# KiCad board Common_Rail_MC33816.kicad_pcb (continued)
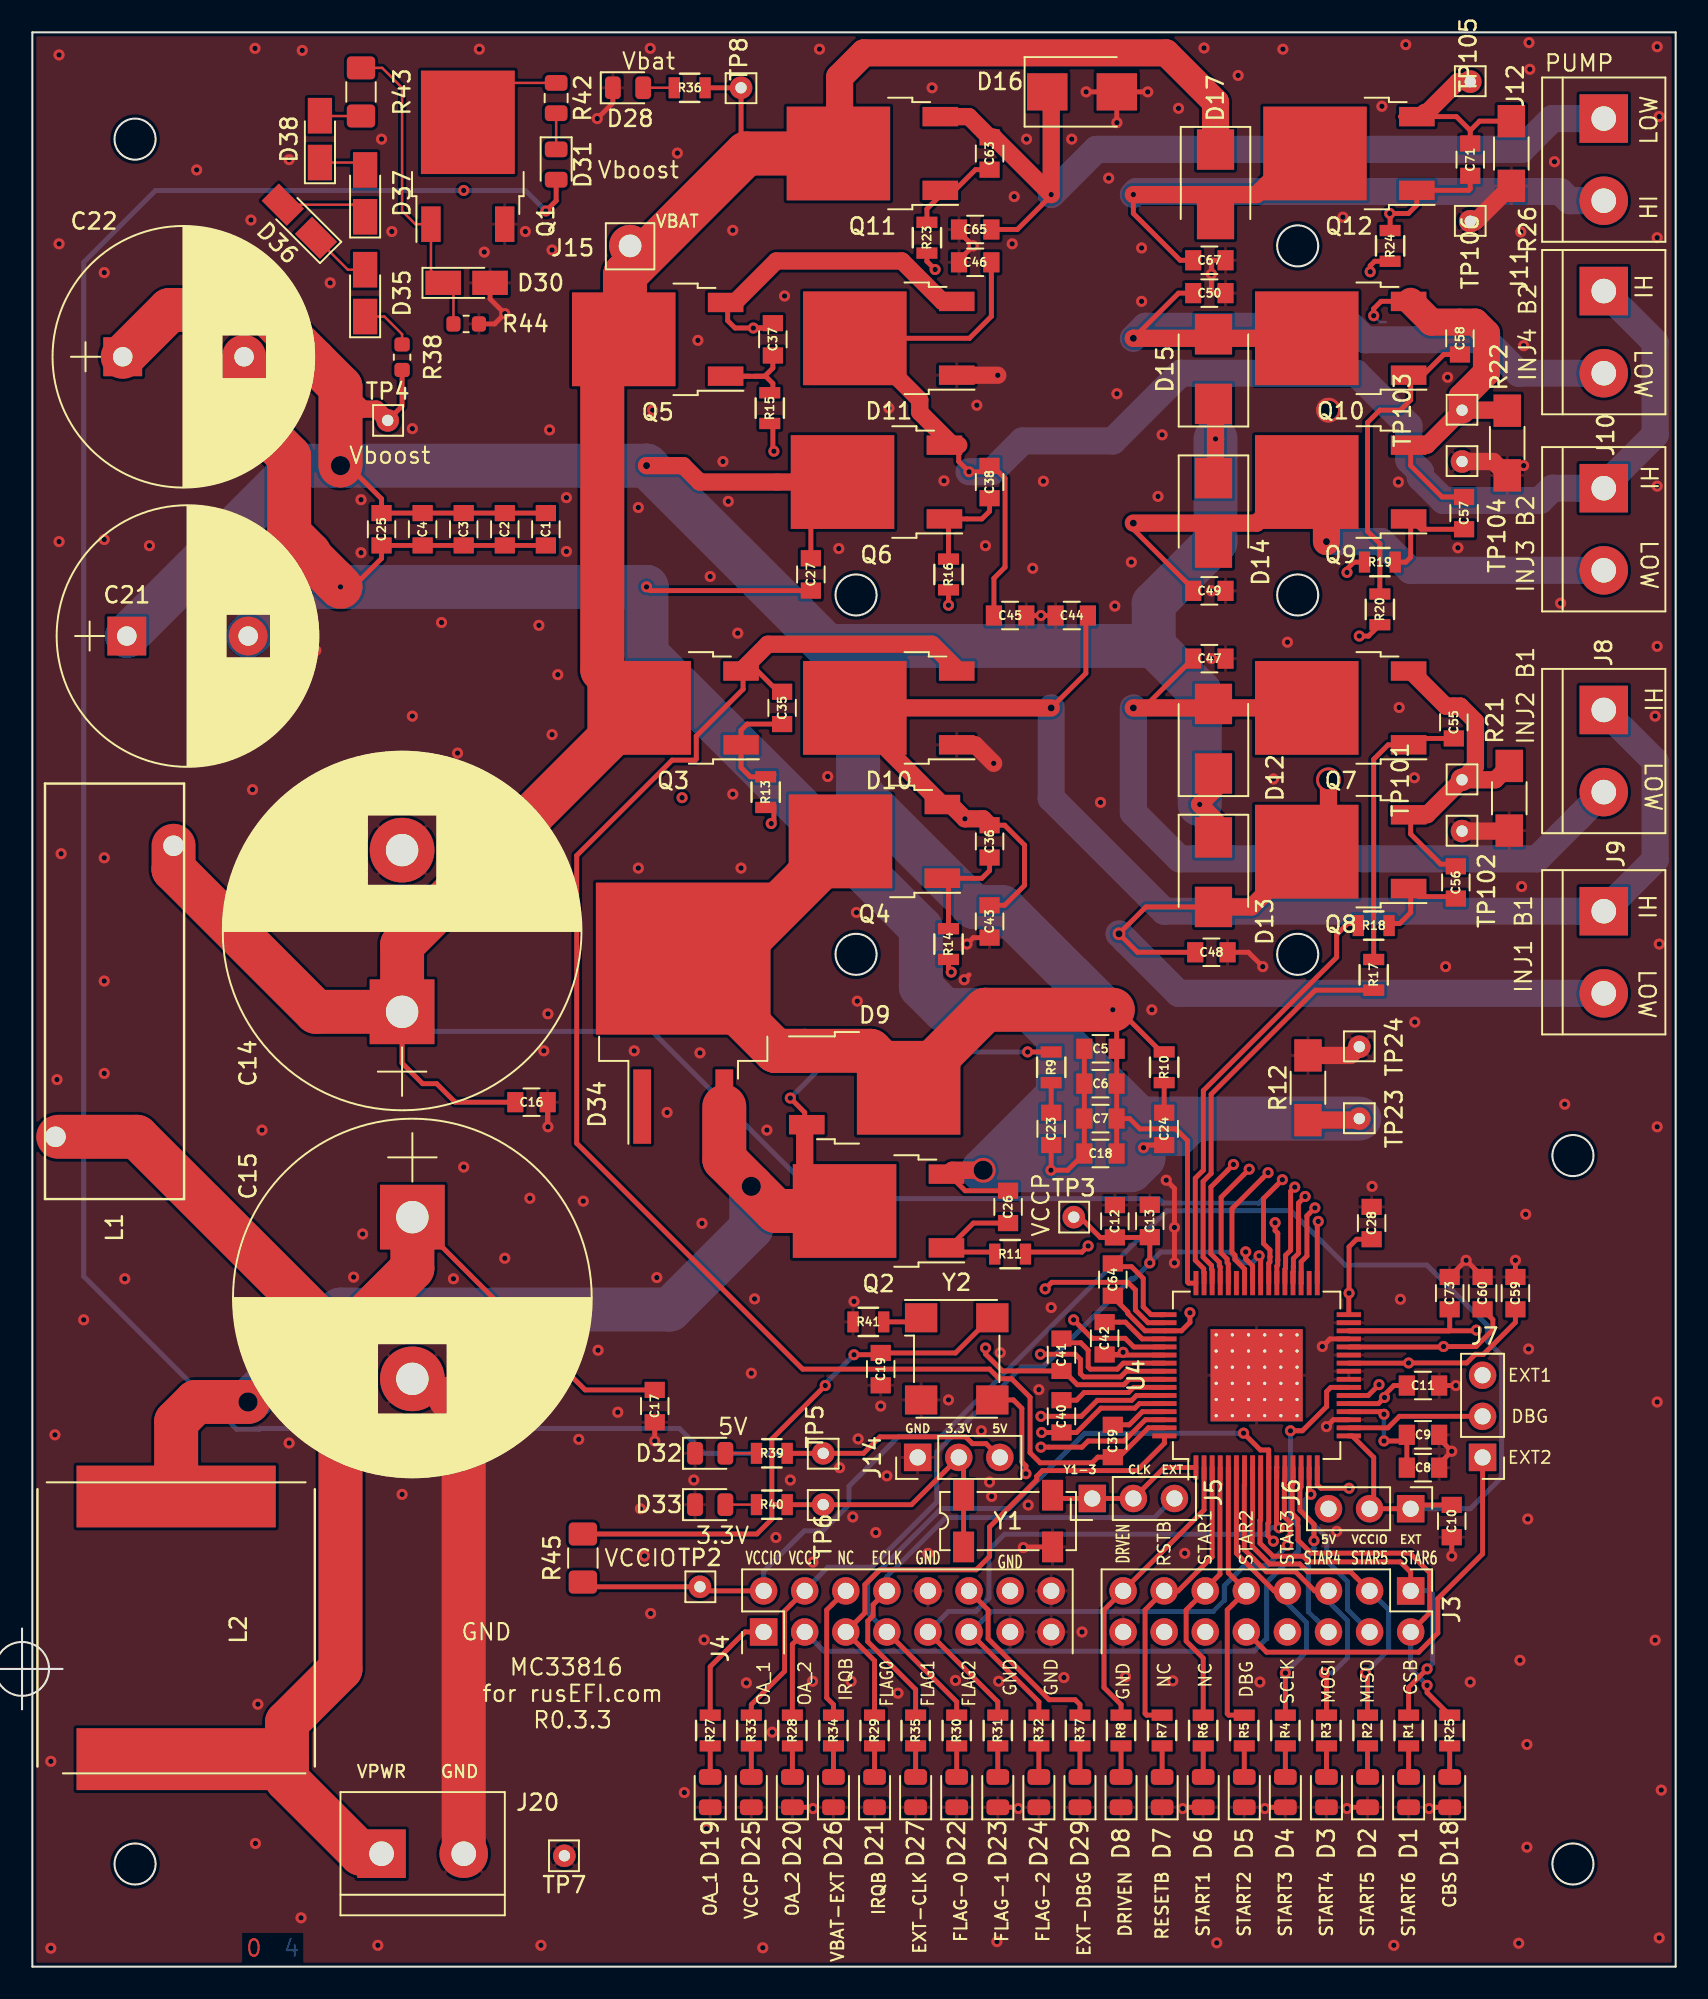
[diagram p0: board, top side]
## Nets (continued)
Net-(D32-Pad2): D32.2 R39.1
Net-(D33-Pad2): D33.2 R40.1
Net-(D35-Pad1): D35.1 R38.1
Net-(D35-Pad2): D35.2 D36.1
Net-(D36-Pad2): D36.2 D37.1
Net-(D37-Pad2): D37.2 D38.1
Net-(D38-Pad2): D38.2 R43.1
Net-(Q1-Pad2): Q1.2 R42.1
Net-(R41-Pad2): R41.2 Y2.1

Pads without a net: D34 1; J3 12 14; J4 14; U4 34 43

## Via types
v1: diameter 0.686, hole 0.33, Top to Bottom, 318 vias
v2: diameter 1.542, hole 1.186, Top to Bottom, 6 vias
v3: diameter 0.79, hole 0.434, Top to Bottom, 7 vias

## Routing (per net, layer and track width the routed paths; a pad name or vN(x,y) marks a point on that pad's centre or on a via; arc(x,y) is an arc through that point)
/3.3V: length 52.3
  Top w0.305: 45.85,28.57 45.72,28.57 45.72,27.69 44.79,26.76 R45.1 ; 45.85,28.57 R40.2 TP6.1 54.36,28.57 J14.2 57.58,31.2 Y1.4 Y1.1 ; 45.85,28.57 45.72,28.7 45.72,32.64 v1(49.02,35.94) ; v1(50.8,37.85) 52.34,37.85 C19.1 57.08,37.96 59.25,40.13 Y2.4
  Bottom w0.305: v1(50.8,37.85) 49.02,36.07 v1(49.02,35.94)
/5V: length 201.8
  Top w0.305: C11.1 84.17,35.94 83.6,35.36 v1(83.6,35.2) 83.22,34.83 81.39,34.83 ; J14.3 58.97,32.35 58.13,32.35 57.71,32.77 52.4,32.77 51.39,31.75 TP5.1 R39.2 ; v1(31.75,108.58) 32.39,109.22 D31.2
  PWR_AN w0.305: J6.3 80.14,31.74 v1(83.6,35.2) 83.94,35.55 83.94,36.71 83.44,37.21 82.8,37.21 76.24,30.65 62.27,30.65 61.42,31.5 J14.3
  Bottom w0.305: TP5.1 41.55,31.75 40.01,33.29 14.09,33.29 14.03,33.24 12.64,33.24 3.17,42.7 3.17,105.41 7.62,109.85 v1(26.67,109.85) 30.48,109.85 v1(31.75,108.58)
/Vbat: length 214
  Top w0.305: C16.1 26.14,53.47 25,54.61 24.13,54.61 22.86,55.88 C14.1 ; R36.2 TP8.1 43.81,112.47 44.15,112.14 ; U4.39 76.44,43.51 76.51,43.58 76.51,43.89 76.52,43.89 76.52,44.33 76.12,44.73 76.12,47.51 v1(77.29,48.67)
  Top w1.651: J15.1 36.96,100.96
  Top w1.676: D17.1 73.15,115.31 70.1,118.36 51.41,118.36 49.91,116.87 49.91,112.14
  Top w2.718: 49.91,112.14 44.15,112.14 36.64,104.64 36.64,100.65 35.24,99.24 35.24,80.21 37.59,77.85 ; Q3.2 22.86,63.19 C14.1 17.54,59.05 8.73,67.86 L1.2
  Bottom w0.305: C14.1 23.62,59.05 24.83,57.85 38.31,57.85 ; 38.31,57.85 36,57.85 ; 38.31,57.85 48.66,47.5 69.66,47.5 69.93,47.23 75.84,47.23 v1(77.29,48.67)
/VBAT_EXT: length 8.3
  Top w0.305: R34.2 49.53,16.21 49.11,16.63 49.11,22.06 J4.6
/VCC2P5: length 7.5
  Top w0.305: v1(83.57,34.16) 83.4,34.33 81.39,34.33 ; v1(83.57,32.51) 84.6,32.51 C9.1 C8.1
  Bottom w0.305: v1(83.57,32.51) v1(83.57,34.16)
/VCCIO: length 96.9
  Top w0.305: J4.2 41.53,23.24 TP2.1 34.33,23.49 R45.2 ; C10.1 85.45,28.56 J6.1 J6.2 82.93,28.57 82.93,31.5 81.6,32.83 81.39,32.83
  Bottom w0.305: J4.2 45.21,24.44 47.72,26.95 48.87,26.95 50.49,28.57 50.49,29.72 53.57,32.8 56.19,32.8 70.13,46.74 77.83,46.74 81.18,43.39 86.22,43.39 89.96,39.66 89.96,38.7 90.84,37.81 90.84,30.26 88.9,28.32 J6.1
/VCCP: length 56.3
  Top w0.305: v1(69.09,43.53) C13.1 69.07,45.1 C12.1 66.02,45.1 64.77,46.35 ; J4.4 46.51,22 46.51,18.27 44.45,16.21 R33.2 ; v1(75.85,43.96) 75.94,43.87 U4.40
  Bottom w0.305: v1(75.85,43.96) 75.41,43.53 74.69,43.53 74.03,44.2 69.76,44.2 v1(69.09,43.53) 68.09,42.53 67.93,42.53 62.48,37.08 61.15,37.08 55.92,31.85 55.92,28.73 51.89,24.7 49.18,24.7 47.75,23.27 J4.4
GND: length 164.8
  Top w0.305: v1(62.36,83.57) 63.14,83.57 ; v1(62.36,83.57) C45.2 ; v1(62.36,83.57) C44.2 ; C60.2 89.66,42.67 v1(88.65,43.69) 87.63,42.67 C73.2 ; 81.39,38.83 80.23,38.83 v1(79.76,38.35) ; D6.1 71.2,9.86 v1(71.12,9.78) ; Y1.2 61.31,25.96 v1(61.27,25.92) ; C10.2 v1(87.76,25.4) ; v1(57.61,61.04) 57.91,61.34 ; C9.2 86.98,32.65 v1(87.76,31.88) 86.98,31.1 C8.2 ; C65.2 57.29,107.3 v1(58.17,106.43) 57.29,105.55 C46.2 ; C17.2 v1(38.48,32.51) ; v1(67.06,114.05) 67.05,114.05 D16.2 ; D28.1 35.89,115.27 v1(34.92,114.3) ; v1(60.96,9.78) 60.88,9.86 D23.1 ; C47.2 v1(72.9,80.9) ; D2.1 81.36,9.86 v1(81.28,9.78) ; D18.1 86.44,9.86 v1(86.36,9.78) ; D16.2 v1(65.15,115.95) ; D16.2 v1(68.96,115.95) ; v1(48.26,9.78) 48.18,9.86 D20.1 ; v1(57.79,63.25) 58.18,63.64 C43.2 ; C49.2 v1(72.9,85.09) ; 81.39,33.83 80.43,33.83 v1(80.01,33.4) ; D4.1 76.28,9.86 v1(76.2,9.78) ; D30.2 28.3,103.14 v1(29.21,102.23) 28.58,101.6 R44.1 ; C67.2 72.97,105.54 72.9,105.47 v1(72.9,104.69) 72.9,103.57 72.97,103.5 C50.2 ; v1(76.07,61.85) 75.18,62.74 C48.2 ; v1(70.1,48.64) 70.61,48.13 v1(70.61,45.72) v1(70.61,43.53) ; C11.2 v1(88.01,35.94) ; C59.2 v1(91.69,43.69) ; C16.2 31.86,51.96 v1(31.88,51.94) C16.2
  Top w1.067: v1(59.44,74.42) 58.29,75.56 57.28,75.56 ; v1(59.69,98.42) 57.28,98.42 57.53,98.42 ; TP106.1 89.25,107.95 R26.2 ; R12.2 81.5,56.36 TP24.1 ; TP102.1 91.28,70.23 R21.2 ; R22.2 90.33,93.09 TP104.1
  Top w2.718: 25.84,35.15 v1(26.67,34.32) v1(26.67,32.38) J20.2
  GND w0.305: 66.8,25.78 64.9,23.88 v1(64.9,20.7) ; 66.8,25.78 66.59,25.57 v1(55.37,25.57) ; 66.8,25.78 71.88,25.78 71.88,32.77 U4.65 ; v1(70.61,43.53) 73.19,40.95 U4.65 ; v1(57.61,61.04) 57.61,63.07 v1(57.79,63.25) ; v1(71.25,25.57) 70.89,25.92 v1(61.27,25.92) ; v1(84.58,41.27) 82.38,39.08 U4.65
  Bottom w0.305: 76.96,37.85 U4.65 75.06,37.21
  vias: v1(1.14,12.7) v1(1.14,1.14) v1(1.4,32.89) v1(1.52,54.86) v1(1.65,118.24) v1(1.65,106.55) v1(1.65,88.14) v1(1.78,68.83) v1(3.17,40) v1(4.44,104.77) v1(4.44,88.26) v1(4.44,68.58) v1(4.44,60.96) v1(4.44,55.24) v1(5.72,42.54) v1(7.24,87.88) v1(10.16,111.12) v1(10.29,82.8) v1(13.44,93.07) v1(13.51,108.03) v1(13.61,72.8) v1(13.74,38.18) v1(13.77,118.64) v1(13.79,7.62) v1(13.94,16.23) v1(14.05,65.33) v1(14.2,51.74) v1(15.88,111.76) v1(15.88,32.38) v1(16.51,96.52) v1(16.51,34.29) v1(16.61,3.02) v1(16.69,118.52) v1(17.53,81.41) v1(18.41,104.14) v1(19.86,42.65) v1(20.32,90.73) v1(20.32,87.45) v1(20.42,45.31) v1(21.36,1.32) v1(21.59,113.03) v1(22.22,107.31) v1(22.86,29.21) v1(23.5,95.12) v1(23.5,77.34) v1(25.3,83.13) v1(26.03,42.54) v1(26.29,75.06) v1(26.67,49.45) v1(27.64,118.59) v1(27.94,106.04) v1(27.94,38.1) v1(29.21,43.81) v1(30.48,107.31) v1(30.76,47.52) v1(31.11,34.29) v1(31.32,82.96) v1(31.45,1.32) v1(31.62,56.64) v1(31.88,58.93) v1(31.98,95.05) v1(32.13,106.17) v1(32.13,76.2) v1(32.49,79.91) v1(33.02,90.86) v1(33.02,87.53) v1(33.78,32.61) v1(34.06,47.35) v1(34.98,38.13) v1(36.19,34.29) v1(37.21,56.64) v1(37.47,90.25) v1(37.47,67.94) v1(37.59,28.32) v1(37.85,25.4) v1(38.2,118.64) v1(38.23,21.84) v1(38.35,96.27) v1(38.61,42.62) v1(39.24,52.83) v1(39.88,112.17) v1(40.31,10.77) v1(40.89,30.1) v1(41.15,100.58) v1(41.27,56.51) v1(41.4,45.97) v1(41.53,20.22) v1(41.68,8.53) v1(41.91,85.98) v1(42.7,93.09) v1(43.03,90.63) v1(43.31,107.39) v1(43.31,72.52) v1(43.61,82.47) v1(43.81,67.94) v1(44.15,17.55) v1(44.45,36.7) v1(44.65,41.3) v1(45.16,1.17) v1(45.42,51.74) v1(45.75,14.5) v1(45.97,26.54) v1(46.51,103.33) v1(46.86,30.1) v1(48.23,17.65) v1(48.26,25.02) v1(48.67,118.59) v1(49.17,73.61) v1(49.86,87.71) v1(49.91,30.86) v1(50.62,17.65) v1(50.72,27.81) v1(50.8,41.15) v1(50.95,65.2) v1(51,59.72) v1(51.05,32.64) v1(52.15,26.85) v1(52.45,34.67) v1(52.83,30.35) v1(52.96,96.39) v1(53.52,16.92) v1(55.63,116.2) v1(56.36,91.9) v1(56.64,35.05) v1(57.07,17.7) v1(58.39,96.57) v1(58.67,33.15) v1(58.93,87.88) v1(59.18,29.97) v1(59.31,29.08) v1(59.64,1.55) v1(59.74,17.65) v1(59.84,37.97) v1(60.58,106.55) v1(60.71,109.47) v1(61.47,113.03) v1(61.57,28.55) v1(61.85,86.49) v1(62.23,35.69) v1(62.51,91.87) v1(62.99,40.77) v1(63.78,17.88) v1(64.26,113.03) v1(66.04,72.01) v1(66.55,110.62) v1(66.93,84.15) v1(67.06,97.28) v1(67.59,17.93) v1(67.95,86.87) v1(68.58,106.3) v1(68.58,103) v1(69.21,59.18) v1(69.6,90.93) v1(69.85,94.74) v1(70.51,17.68) v1(70.87,114.93) v1(72.44,118.67) v1(73.23,1.47) v1(74.55,116.97) v1(75.9,17.6) v1(76.73,73.46) v1(77.32,118.59) v1(77.6,81.91) v1(80.64,26.92) v1(81.03,108.2) v1(82.83,48.26) v1(83.44,115.06) v1(84.18,1.32) v1(84.45,91.82) v1(84.51,77.88) v1(84.91,118.87) v1(85.45,73.53) v1(85.47,58.42) v1(87.38,61.85) v1(87.5,98.3) v1(88.14,87.76) v1(88.9,17.6) v1(91.9,1.45) v1(92.02,107.29) v1(91.97,18.95) v1(92.08,66.8) v1(92.2,100.25) v1(92.2,92.84) v1(92.33,46.53) v1(92.41,13.74) v1(92.41,7.39) v1(92.53,119) v1(92.51,38.2) v1(92.46,27.69) v1(92.58,117.35) v1(94.11,111.63) v1(94.49,84.33) v1(94.74,53.34) v1(100.33,77.34) v1(100.33,20.19) v1(100.46,118.74) v1(100.46,106.93) v1(100.46,91.57) v1(100.46,81.66) v1(100.46,51.94) v1(100.46,34.92) v1(100.58,114.43) v1(100.58,63.25) v1(100.58,1.78) v1(100.71,10.92) v2(80.14,96.27)
/BANK1_BAT: length 99.8
  Top w0.305: C39.2 65.87,31.51 65.52,31.16 62.31,31.16 61.68,31.79 61.68,35.22 60.54,36.36 59.78,36.36 59.18,36.96 47.62,36.96 33.66,50.93 33.66,68.72 39.56,74.62 40.98,74.62 41.05,74.69 41.05,76.11 43.94,79.01 43.94,80.14 44.83,80.14 46.12,78.85 C35.2 ; C39.2 67.18,31.51 ; C39.2 67.18,31.51 ; 67.18,31.51 69,33.33 U4.63
  Top w1.067: 57.28,80.14 55.63,81.79 45.47,81.79 43.94,80.26 43.94,80.14
/BANK2_BAT: length 108.2
  Top w0.305: v1(44.58,101.35) 43.45,101.35 42.99,101.8 42.99,102.93 ; v1(44.58,101.35) 45.86,101.35 46.16,101.65 ; v1(44.58,101.35) 45.48,101.35 C37.2 ; 63.75,36.85 64.61,35.99 67.48,35.99 67.82,36.33 U4.57 ; 63.74,36.85 C41.2 59.98,36.85 58.93,37.89 v1(58.93,38.27)
  Top w1.067: 42.99,102.93 43.43,102.93 45.99,105.49 53.77,105.49 56.26,103 57.28,103
  PWR_AN w0.305: v1(58.93,38.27) 57.52,38.27 40.17,55.61 v1(40.17,72.3) 40.17,96.94 v1(44.58,101.35)
/CLK: length 20.7
  Top w0.305: v1(61.43,30.49) 61.43,30.97 61.18,31.23 61.18,34.53 60.65,35.05 Y2.3 ; Y1.3 63.28,28.96 J5.1 J5.2 69.99,30.88 U4.1
  PWR_AN w0.305: v1(61.43,30.49) 62.96,28.96 J5.1
/CSB: length 23.9
  Top w0.305: R25.2 86.23,16.95 v1(86.23,17.4) ; J3.2 86.4,21.88 86.4,24.36 85.18,25.58 79.06,25.58 78.25,26.38 78.25,27.67 77.89,28.03 77.89,29.81 77.94,29.86 U4.13
  Bottom w0.305: v1(86.23,17.4) 85.22,18.41 J3.2
/DBG: length 8.6
  Top w0.305: 81.39,33.33 83.81,33.33 84.52,34.04 J7.2
/DBG_EXT1: length 63.1
  Top w0.305: R37.2 64.77,16.21 64.47,16.51 62.86,16.51 59.09,20.28 59.09,22.06 J4.12
  PWR_AN w0.305: J7.3 91.44,34.8 91.44,30.61 86.88,26.05 86.88,19.95 85.98,19.05 59.94,19.05 59.18,19.81 59.18,21.97 J4.12
/DBG_EXT2: length 24.9
  Top w0.305: J7.1 89.66,25.53 86.89,22.76 86.89,20.63 85.71,19.45 76.31,19.45 J3.10
/DRVEN: length 18.3
  Top w0.305: R8.2 67.31,16.21 66.26,17.26 66.26,22.06 J3.15 72.44,28.25 U4.2
/EXT_CLK: length 30.1
  Top w0.305: R35.2 54.61,17.14 51.65,20.1 51.65,21.38 51.98,21.71 51.98,22.39 J4.8
  Bottom w0.305: J5.3 70.59,28.96 70.35,28.71 70.32,28.71 69.38,27.78 56.48,27.78 52.83,24.12 J4.8
/FLAG_0: length 45.4
  Top w0.305: v1(76.73,26.31) 76.39,26.66 76.39,27.41 76.44,27.47 U4.10 76.44,31.96 75.93,31.96 v1(74.88,33) ; J4.7 57.15,16.38 R30.2
  Bottom w0.305: J4.7 51.65,21.88 51.65,23.78 56.21,28.34 60.4,28.34 65.06,33 v1(74.88,33)
/FLAG_1: length 36.9
  Top w0.305: J4.9 59.69,16.38 R31.2 ; U4.11 76.92,30.86 76.92,27.31 v1(77.09,27.14)
  Bottom w0.305: v1(77.09,27.14) 76.61,27.14 76.22,26.75 60.11,26.75 59.14,25.78 59.14,22.78 58.33,21.97 56.64,21.97 J4.9
/FLAG_2: length 34.4
  Top w0.305: v1(77.6,26.06) 77.6,26.54 77.77,26.71 77.77,27.47 77.41,27.83 77.41,30.01 77.44,30.05 U4.12 ; R32.2 62.23,16.38 J4.11
  Bottom w0.305: v1(77.6,26.06) 76.35,24.81 74.94,24.81 73.7,23.56 73.7,22.67 73,21.97 59.3,21.97 58.03,20.7 J4.11
/G_HB1_BAT: length 55.1
  Top w0.305: 62.48,32.13 v1(62.36,32.13) 64.9,32.13 65.28,32.51 67.5,32.51 68.82,33.83 U4.62 ; 45.85,71.82 45.85,70.87 v1(45.68,70.7)
  PWR_AN w0.305: v1(45.68,70.7) 45.68,57.82 54.88,48.62 54.88,48.56 61.46,41.98 61.46,33.03 v1(62.36,32.13)
/G_HB1_BST: length 41.1
  Top w0.305: v1(56.81,61.51) 56.77,61.51 56.64,61.64 R14.2 ; U4.59 68.27,35.33 67.97,35.03 65.84,35.03 64.85,34.04 v1(62.36,34.04)
  PWR_AN w0.305: v1(62.36,34.04) 65.05,36.73 65.05,41.12 56.81,49.36 v1(56.81,61.51)
/G_HB2_BAT: length 73.3
  Top w0.305: v1(45.85,93.73) 45.78,93.79 45.78,95.44 ; v1(62.33,37.88) 64.48,37.88 64.8,37.57 64.8,36.68 65,36.47 67.28,36.47 67.63,36.83 U4.56
  PWR_AN w0.305: v1(62.33,37.88) 61.95,38.26 61.95,42.18 55.36,48.76 55.36,48.82 53.92,50.26 53.92,85.65 v1(45.85,93.73)
/G_HB2_BST: length 56.1
  Top w0.305: U4.53 68.1,38.33 67.56,38.86 65.52,38.86 v1(64.38,40) ; v1(56.64,84.2) R16.2
  PWR_AN w0.305: v1(56.64,84.2) 54.94,82.5 54.94,50.68 56.33,49.29 56.33,49.16 64.38,41.11 v1(64.38,40)
/G_L_BOOST: length 16
  Top w0.305: v1(65.28,44.58) 64.9,44.2 61.4,44.2 ; U4.41 75.44,43.35 75.02,43.78 v1(75.02,44.21)
  PWR_AN w0.305: v1(65.28,44.58) 74.16,44.58 74.53,44.21 v1(75.02,44.21)
/G_L_INJ1: length 27
  Top w0.305: U4.47 72.44,42.92 72.42,42.94 72.42,43.17 71.9,43.69 71.9,48.76 72.4,49.26 72.4,54.19 80.64,62.43 80.64,63.83 81.33,64.52 81.98,64.52
/G_L_INJ2: length 24.8
  Top w0.305: U4.46 72.94,43.1 72.9,43.14 72.9,43.37 72.38,43.89 72.38,48.56 72.88,49.06 72.88,53.96 79.31,60.39 R17.2
/G_L_INJ3: length 53.5
  Top w0.305: U4.45 73.44,43.29 73.39,43.34 73.39,43.57 72.87,44.09 72.87,48.22 v1(74.26,49.61) ; v1(81.28,86.23) 81.28,86.44 81.71,86.87 R19.2
  PWR_AN w0.305: v1(74.26,49.61) 74.26,49.88 73.33,50.81 73.33,73.95 74.37,75 74.37,84.53 76.71,86.87 80.64,86.87 v1(81.28,86.23)
/G_L_INJ4: length 46.5
  Top w0.305: v1(75.23,49.32) 73.5,47.59 73.5,44.14 73.87,43.77 73.87,43.54 73.94,43.47 U4.44 ; v1(82.04,82.3) 82.61,82.3 R20.2
  PWR_AN w0.305: v1(75.23,49.32) 75.23,49.59 73.81,51.01 73.81,73.75 81.7,81.64 81.7,81.95 v1(82.04,82.3)
/G_LS6: length 77.8
  Top w0.305: v1(55.82,104.97) 55.31,105.47 55.31,106.17 ; U4.50 68.98,39.83 68.2,40.61 68.2,41.85 67.73,42.32 63.03,42.32 v1(62.62,41.92)
  PWR_AN w0.305: v1(55.82,104.97) 54.41,103.56 54.41,50.46 55.85,49.02 55.85,48.96 62.62,42.19 v1(62.62,41.92)
/G_PUMP: length 70.5
  Top w0.305: R24.2 82.99,105.48 82.71,105.2 v1(82.71,104.83) ; U4.42 74.94,43.15 74.35,43.74 74.35,44 74.17,44.18 74.17,46.88 v1(76.4,49.11)
  PWR_AN w0.305: v1(82.71,104.83) 81.92,104.03 81.92,101.35 82.71,100.55 82.71,81.97 74.3,73.55 74.3,51.21 v1(76.4,49.11)
/INJ1_LOW: length 82.3
  Top w0.305: v1(76.83,46.01) 76.83,45.53 77,45.36 77,43.69 77,43.69 77,43.39 76.94,43.33 U4.38 ; D13.2 68.84,65.54 v3(67.18,63.88) 68.33,62.74 C48.1
  Top w1.067: D13.2 75.37,65.54 Q8.2 80.14,70.31 v2(80.14,73.41)
  PWR_AN w0.305: v3(67.18,63.88) 67.95,63.12 67.95,53.26 72.1,49.11 72.1,48.73 74.82,46.01 v1(76.83,46.01)
  Bottom w1.676: J9.2 70.87,60.2 v3(67.18,63.88)
/INJ2_LOW: length 95.8
  Top w0.305: v1(78.05,48.21) 77.79,47.96 77.79,44.31 77.48,44 77.48,43.49 77.48,43.49 77.48,43.18 77.44,43.14 U4.37 ; v3(68.07,77.85) 68.71,77.85 71.76,80.9 C47.1
  Top w1.067: 78.23,77.85 v3(68.07,77.85)
  PWR_AN w0.305: v1(78.05,48.21) 77.71,47.87 75.01,47.87 73.55,49.33 73.55,49.7 72.85,50.41 72.85,73.08 v3(68.07,77.85)
  Bottom w1.676: J8.2 93.03,68.51 70.93,68.51 68.07,71.37 v3(68.07,77.85)
/INJ3_LOW: length 96.6
  Top w0.305: v3(68.07,89.28) 68.07,88.9 71.77,85.2 C49.1 ; v1(78.69,47.64) 78.28,47.22 78.28,44.11 77.97,43.8 77.97,43.29 77.96,43.29 77.96,42.98 77.94,42.96 U4.36 ; 73.15,87.77 73.15,89.15 73.02,89.28
  Top w1.067: v3(68.07,89.28) 75.69,89.28 78.23,91.82
  Top w1.676: 78.87,91.82 80.01,90.68 v3(80.01,88.14)
  PWR_AN w0.305: v3(68.07,89.28) 66.11,87.32 66.11,76.32 72.36,70.07 72.36,50.21 73.07,49.51 73.07,49.13 74.9,47.29 78.35,47.29 v1(78.69,47.64)
  Bottom w1.676: J10.2 85.2,86.36 83.42,88.14 v3(80.01,88.14)
/INJ4_LOW: length 114
  Top w0.305: C50.1 70.87,103.5 v3(68.07,100.71) ; v1(79.3,46.93) 78.8,46.44 78.8,43.95 78.45,43.6 78.45,42.28 U4.35
  Top w1.067: v3(68.07,100.71) 78.23,100.71
  PWR_AN w0.305: v3(68.07,100.71) 65.63,98.27 65.63,76.12 71.88,69.87 71.88,50.01 72.58,49.31 72.58,48.93 74.83,46.69 78.56,46.69 78.81,46.93 v1(79.3,46.93)
  Bottom w1.676: J11.2 91.89,98.55 89.83,100.62 82.41,100.62 81.57,101.46 68.82,101.46 v3(68.07,100.71)
/INJ_B1_HIGH: length 152.4
  Top w0.305: v3(62.99,77.85) 65.14,79.99 65.14,83.57 ; C43.1 60.11,65.64 61.34,66.87 61.34,69.37 60.11,70.6 C36.2 ; v1(57.66,70.99) 58,71.34 56.8,71.34 Q4.3 ; U4.60 68.45,34.83 68.17,34.54 66.06,34.54 64.56,33.04 C40.2 62.4,33.04 v1(62.4,33.04)
  Top w1.067: 48.64,80.14 50.93,77.85 v3(62.99,77.85) ; C36.2 58.79,70.99 v1(57.66,70.99) 56.77,71.88 Q4.3 50.85,77.29 D10.2
  PWR_AN w0.305: v1(62.4,33.04) 65.53,36.17 65.53,41.43 60.32,46.64 60.32,49.98 59.74,50.57 59.74,68.91 v1(57.66,70.99)
  Bottom w1.676: J8.1 100.33,74.55 100.33,68.45 J9.1 69.98,65.28 62.99,72.26 v3(62.99,77.85)
/INJ_B2_HIGH: length 163.3
  Top w0.305: C46.1 59.29,102.07 57.93,100.71 50.93,100.71 ; 57.28,94.11 57.28,93.09 v1(57.91,92.46) 58.82,92.46 C38.2 59.37,92.82 60.14,92.05 60.14,86.55 59.45,85.87 C45.1 ; v1(67.44,38) 67.3,37.86 C42.2 66.33,37.83 U4.54
  Top w1.067: 57.28,94.11 56.9,94.11 54.86,96.14 54.86,96.9 51.05,100.71 50.93,100.71 48.7,102.93
  PWR_AN w0.305: v1(67.44,38) 67.44,40.21 60.81,46.84 60.81,50.18 60.22,50.77 60.22,90.15 v1(57.91,92.46)
  Bottom w1.676: J11.1 100.33,100.46 100.33,94.74 97.15,91.57 J10.1 93.98,91.44 93.22,90.68 87.25,90.68 85.81,92.11 85.81,92.47 85.11,93.18 85.11,95.3 81.85,98.55 70.99,98.55 66.8,94.36 61.21,94.36 59.31,92.46 v1(57.91,92.46)
/IRQB: length 33.1
  Top w0.305: U4.64 69.99,32.37 68.3,30.68 62.45,30.68 62.09,30.33 62.09,30.11 59.18,27.2 59.18,25.37 58.35,24.54 52.39,24.54 51.47,23.63 51.47,21.88 J4.5 52.07,18.92 R29.2
/MISO: length 12
  Top w0.305: U4.15 78.94,29.32 v1(79.05,29.21)
  Bottom w0.305: J3.4 81.32,22.06 81.32,22.22 81.32,22.23 81.32,23.81 80.03,25.09 80.03,26.53 78.7,27.86 78.7,28.87 v1(79.05,29.21)
/MOSI: length 11.2
  Top w0.305: v1(79.24,26.34) 79.24,27.36 78.37,28.23 78.37,29.61 78.44,29.68 U4.14
  Bottom w0.305: v1(79.24,26.34) 79.24,25.86 78.89,25.51 78.89,21.95 J3.6
/OA_1: length 57.6
  Top w0.305: 81.39,35.33 82.59,35.33 v1(83.26,36) ; R27.2 41.91,18.55 44.06,20.7 J4.1
  PWR_AN w0.305: J4.1 46.48,21.97 48.39,21.97 49.02,22.61 49.02,23.88 50.04,24.89 77.43,24.89 78.27,25.74 78.27,30.65 82.92,35.29 82.92,35.66 v1(83.26,36)
/OA_2: length 54
  Top w0.305: 81.39,35.83 80.28,35.83 80.02,35.57 80.02,34.64 78.52,33.14 v1(77.78,33.14) ; R28.2 46.99,19.94 J4.3
  Bottom w0.305: J4.3 48.94,19.51 75.55,19.51 76.33,20.29 76.33,23.76 78.28,25.72 78.28,27.21 77.78,27.71 v1(77.78,33.14)
/P_B1_SENSE: length 72.2
  Top w0.305: C59.1 91.69,39.85 89.71,37.87 89.21,37.87 88.68,37.34 v1(85.09,37.34) 85.08,37.33 81.39,37.33 ; 88.01,68.18 87.08,68.18 85.22,70.05 85.22,71.25
  Top w1.067: TP101.1 90.46,73.41 R21.1 ; TP101.1 86.23,71.25 85.22,71.25 ; TP101.1 89.22,74.23 89.22,77.03 88.29,77.96 C55.1 87.39,77.96 85.22,80.14
  PWR_AN w0.305: v1(85.09,37.34) 89.92,42.16 89.92,71.88 TP101.1
/P_B2_SENSE: length 98
  Top w0.305: C57.1 87.15,90.9 85.22,92.84 85.22,94.11 ; v1(82.93,102.11) 82.93,102.54 83.39,103 85.22,103 ; 81.39,38.33 87.22,38.33 v1(87.25,38.35) 89.26,38.35 90.3,39.39 90.3,40.02 C60.1
  Top w1.067: R22.1 91.15,96.27 TP103.1 86.23,94.11 85.22,94.11
  Top w1.676: TP103.1 88.39,97.07 89.91,98.59 89.91,101.02 89.22,101.71 C58.1 86.5,101.71 85.22,103
  PWR_AN w0.305: v1(87.25,38.35) 87.25,38.5 90.4,41.65 90.4,93.88 88.01,96.27
  Bottom w0.152: v1(82.93,102.11) 83.33,101.71 83.68,101.71
/P_SENSE_BOOST: length 230.5
  Top w0.305: 56.64,49.02 57.67,47.99 C26.1 ; 19.05,85.34 v1(19.05,85.34) 19.83,85.34 21.59,87.1 C25.2 C4.2 C3.2 C2.2 C1.2 ; C5.2 C6.2 C7.2 C18.2 64.01,49.26 v1(62.97,49.26) 62.99,49.28 C23.2 ; C28.1 81.87,44.99 81.41,44.52 v1(81.41,41.66) 81.39,41.64 81.39,40.33 ; v1(68.7,50.65) 68.86,50.82 C24.2 ; v1(37.97,85.34) 38.2,85.11 C27.2
  Top w1.067: 56.64,49.02 56.88,49.26 v2(58.79,49.26) ; TP23.1 81.95,52.36 R12.1
  Top w2.718: 19.05,85.34 17.12,87.28 17.12,87.4 15.88,88.65 15.88,93.41 13.09,96.2 C22.2
  PWR_AN w0.305: TP23.1 82.04,49.28 81.41,48.64 v1(81.41,41.66)
  Bottom w0.152: 70.49,50.67 C24.2 70.34,50.82 70.49,50.67
  Bottom w0.305: 71.13,50.67 70.98,50.82 C24.2
  Bottom w1.067: TP23.1 72.91,52.45 71.13,50.67 66.29,50.67 64.9,49.28 62.99,49.28 v1(62.97,49.26) v2(58.79,49.26)
  Bottom w2.718: 63.41,57.48 63.41,53.88 v2(58.79,49.26) ; 63.41,57.48 68.44,52.45 TP23.1 ; 63.41,57.48 61.73,59.16 56.38,59.16 54.93,60.61 54.93,64.23 37.97,81.19 v1(37.97,85.34) 16.38,85.34 C21.2 ; v2(58.79,49.26) 60.94,49.26 64.26,50.8 ; v2(58.79,49.26) 67.93,49.26 68.7,50.03 v1(68.7,50.65) 64.41,50.65 64.26,50.8 ; 64.26,50.8 64.52,52.83 65.4,51.94 66.8,51.94
/P_SENSE_PUMP: length 108
  Top w0.305: 88.9,113.56 89.48,114.14 R26.1 ; 88.9,113.56 C71.1 ; 88.9,113.56 88.04,114.42 85.6,114.42 ; C73.1 87.63,39.37 87.59,39.33 81.39,39.33 89.24,39.33 v1(89.28,39.37) ; 86.41,114.43 84.58,114.43
  Top w1.067: TP105.1 88.14,116.59 85.98,114.43 85.73,114.43 ; 86.11,114.68 85.85,114.43 86.11,114.68
  PWR_AN w0.305: TP105.1 90.88,114.6 90.88,40.97 v1(89.28,39.37)
/PUMP_HIGH: length 139.1
  Top w0.305: 66.8,41.29 66.93,41.29 67.73,40.49 67.73,40.39 68.8,39.33 U4.51 71.05,39.33 71.57,39.85 v1(71.57,40.44) ; v1(62.99,109.6) 62.99,109.54 60.9,107.44 C65.1
  Top w1.067: 56.14,114.42 57.9,114.42 C63.2 59.45,113.14 v1(62.99,109.6) 62.99,115.59 62.75,115.84
  PWR_AN w0.305: v1(62.99,109.6) 62.99,107.8 60.7,105.51 60.7,50.97 61.29,50.38 61.29,47.04 67.89,40.44 v1(71.57,40.44)
  Bottom w1.676: J12.1 93.98,114.3 92.07,112.39 65.79,112.39 v1(62.99,109.6)
/PUMP_LOW: length 130.7
  Top w0.305: U4.33 79.44,46.03 v1(79.5,46.09) ; C67.1 70.97,105.54 68.07,108.43 v1(68.07,109.6) 71.64,109.6 D17.2
  Top w1.067: v1(68.07,109.6) 75.69,109.6 78.23,112.14
  PWR_AN w0.305: v1(79.5,46.09) 78.75,45.34 74.81,45.34 71.62,48.53 71.62,48.91 65.15,55.38 65.15,106.68 v1(68.07,109.6)
  Bottom w1.676: v1(68.07,109.6) 68.26,109.79 94.46,109.79 95.03,109.22 J12.2
/RESETB: length 18.5
  Top w0.305: R7.2 68.9,15.55 68.8,15.65 68.8,22.06 J3.13 70.84,23.24 72.94,25.34 U4.3
/SCLK: length 13.6
  Top w0.305: v1(81.41,29.59) 79.66,29.59 79.44,29.81 U4.16
  PWR_AN w0.305: v1(81.41,29.59) 81.41,26.26 78.85,23.7 78.85,21.96 J3.8
/START1: length 16.6
  Top w0.305: U4.4 73.44,29.82 73.42,29.8 73.42,24.27 72.52,23.36 J3.11 71.34,22.06 71.34,20.13 72.39,19.08 R6.2
/START2: length 17.3
  Top w0.305: U4.5 73.94,24.36 J3.9 73.88,22.06 73.88,15.65 73.98,15.55 R5.2
/START3: length 18.1
  Top w0.305: J3.7 76.77,23.24 74.44,25.57 U4.6 ; R4.2 v1(77.47,18.16)
  Bottom w0.305: v1(77.47,18.16) 78.78,19.47 78.78,21.27 77.6,22.45 J3.7
/START4: length 20.5
  Top w0.305: v1(79.88,18.16) 80.01,18.03 R3.2 ; J3.5 79.28,23.24 78.1,24.42 76.31,24.42 74.93,25.79 74.93,29.81 74.94,29.82 U4.7
  Bottom w0.305: J3.5 80.14,22.56 81.32,21.38 81.32,19.11 80.37,18.16 v1(79.88,18.16)
/START5: length 22.1
  Top w0.305: J3.3 81.5,24.42 78.85,24.42 78.36,24.9 76.51,24.9 75.42,25.99 75.42,27.81 75.44,27.83 U4.8 ; v1(82.42,18.16) 82.55,18.03 R2.2
  Bottom w0.305: v1(82.42,18.16) 83.86,19.6 83.86,22.06 J3.3
/START6: length 25.5
  Top w0.305: v1(86.23,18.41) 85.09,17.27 R1.2 ; J3.1 85.22,24.4 84.58,25.04 78.91,25.04 78.56,25.39 76.71,25.39 75.9,26.19 75.9,27.61 75.94,27.65 U4.9
  Bottom w0.305: J3.1 86.37,23.24 86.58,23.04 86.58,18.76 v1(86.23,18.41)
/Vboost: length 290.7
  Top w0.305: U4.48 71.49,42.28 71.42,42.34 71.42,51.09 70.7,51.82 68.48,51.82 67.84,52.45 C7.1 ; R38.2 22.86,96.52 TP4.1 ; 50.16,91.82 48.13,89.79 C27.1 ; C7.1 C6.1 C5.1 67.04,58.94 v1(66.8,59.18) 67.29,59.18 67.29,59.08 69.79,56.58 R10.1 ; C7.1 C18.1 ; C1.1 C2.1 C3.1 C4.1 C25.1 21.59,90.78 19.53,92.84 v2(19.05,92.84)
  Top w1.067: v3(37.97,92.84) 40.24,92.84 41.26,91.82 50.16,91.82 ; 73.15,96.66 v1(73.15,94.49) 73.15,92.07 ; 73.15,73.8 73.15,72.86 v1(72.17,71.88) 73.15,70.9 73.15,69.84 ; 45.21,63.25 50.93,68.96 ; 19.05,97.7 20.42,96.33 21.27,96.33 TP4.1
  Top w2.718: 47.75,67.31 49.96,69.52 Q4.2 ; 47.75,67.31 41.51,61.07 45.94,56.64 51.82,56.64 54.1,54.36 58.93,59.18 v1(66.8,59.18) ; 47.75,67.31 50.04,69.6 ; D34.2 45.95,56.64 D9.1 ; C22.1 8.48,102.46 14.29,102.46 19.05,97.7 v2(19.05,92.84)
  Bottom w2.718: v1(72.17,71.88) 72.17,78.84 69.33,81.69 ; 49.12,81.69 v3(37.97,92.84) 16.38,92.84 C21.1 ; 49.12,81.69 69.33,81.69 ; 49.12,81.69 51.05,79.76 51.05,72.71 58.23,65.53 59.97,65.53 66.32,59.18 v1(66.8,59.18) ; 69.33,81.69 69.33,84.3 73.15,88.13 v1(73.15,94.49)
/Vbuck: length 85.5
  Top w0.305: R9.1 v1(61.53,56.58) ; v1(46.86,53.72) 47.75,52.83 47.75,52.07
  Top w1.067: 50.29,46.74 47.75,49.28 47.75,52.07
  Top w2.718: v2(13.33,34.92) 10.11,34.92 8.89,33.71 L2.1 ; 50.29,46.74 45.97,46.74 v2(44.45,48.26) 42.78,49.93 42.78,53.19
  Bottom w0.305: v1(46.86,53.72) 49.72,56.58 v1(61.53,56.58)
  Bottom w2.718: v2(13.33,34.92) 19.05,40.64 39.41,40.64 44.45,45.68 v2(44.45,48.26)
/Vpwr: length 94.7
  Top w0.305: C15.1 34.18,35.67 C17.1
  Top w2.718: 19.05,38.73 6.46,51.32 1.6,51.32 ; 19.05,38.73 23.5,43.18 C15.1 ; 19.05,38.73 19.05,18.41 15.74,15.11 15.74,12.83 ; L2.2 15.74,12.83 ; 15.74,12.83 15.74,11.56 20.32,6.98 J20.1
Net-(C23-Pad1): length 1.9
  Top w0.305: C23.1 R9.2
Net-(C24-Pad1): length 1.9
  Top w0.305: C24.1 R10.2
Net-(C26-Pad2): length 8.2
  Top w0.152: 57.53,44.45 56.64,44.45
  Top w0.305: C26.2 58.18,45.99 56.64,44.45 56.9,44.2 59.5,44.2
Net-(C35-Pad1): length 7.4
  Top w0.305: R13.1 44.38,73.59 43.82,74.16 Q3.1 43.82,76.48 44.19,76.85 C35.1 ; 45.85,73.72 45.16,73.72
Net-(C36-Pad1): length 7
  Top w0.305: C36.1 59.18,67.79 58.7,67.31 56.39,67.31 56.64,67.06 R14.1
Net-(C37-Pad1): length 6.8
  Top w0.305: 46.16,99.65 45.83,99.65 ; C37.1 45.78,98.87 45.28,98.36 44.64,98.36 ; 43.62,98.36 44.39,98.36 ; 42.99,98.36 44.64,98.36 ; 44.64,98.36 45.34,98.36 45.78,97.92 45.78,97.34
Net-(C38-Pad1): length 6.4
  Top w0.305: R16.1 56.64,89.29 Q6.1 58.71,89.54 59.18,90.02 C38.1
Net-(C39-Pad1): length 3.5
  Top w0.305: U4.61 68.63,34.33 67.82,33.51 C39.1
Net-(C40-Pad1): length 6.7
  Top w0.305: U4.58 68.09,35.83 67.77,35.51 65.03,35.51 64.56,35.04 C40.1
Net-(C41-Pad1): length 7.9
  Top w0.305: U4.55 67.45,37.33 67.08,36.96 65.4,36.96 65.28,37.08 65.28,38.12 64.82,38.58 63.89,38.58 C41.1
Net-(C42-Pad1): length 4.1
  Top w0.305: C42.1 67.58,39.86 68.62,38.83 U4.52
Net-(C55-Pad2): length 17.6
  Top w0.152: 84.58,75.95 84.58,75.56
  Top w0.305: R17.1 82.93,74.68 83.82,75.56 84.58,75.56 ; 85.22,75.56 85.61,75.96 C55.2
Net-(C56-Pad2): length 6.1
  Top w0.305: 83.88,64.52 84.54,64.52 85.22,65.2 85.22,66.67 85.71,66.18 88.01,66.18
Net-(C57-Pad2): length 7
  Top w0.305: C57.2 85.85,88.9 85.22,89.53 85.22,87.17 84.92,86.87 R19.1
Net-(C58-Pad2): length 19.3
  Top w0.305: R20.1 83.31,88.01 82.55,88.77 82.55,95.5 83.31,96.27 84.58,96.27 85.22,96.9 85.22,98.42 85.98,98.42 87.27,99.71 C58.2
Net-(C63-Pad1): length 5.7
  Top w0.305: C63.1 58.31,111.14 57.02,109.85 56.26,109.85 ; 55.31,108.07 55.31,108.71 56.45,109.85
Net-(C64-Pad2): length 5.7
  Top w0.305: 69.77,40.33 U4.49 69.77,40.33 ; 69.77,40.33 69.16,40.33 68.68,40.81 68.68,42.57 67.96,43.29 66.8,43.29
Net-(C71-Pad2): length 9.1
  Top w0.305: C71.2 88.9,109.96 88.81,109.86 85.6,109.86 85.6,108.96 85.08,108.43 v1(83.92,108.43) 83.95,108.41 R24.1 ; 85.9,109.85 85.22,109.85 ; 85.41,109.85 85.79,109.85
  Bottom w0.305: v1(83.92,108.43) 83.95,108.41
Net-(D1-Pad2): length 1.9
  Top w0.305: D1.2 R1.1
Net-(D2-Pad2): length 1.9
  Top w0.305: D2.2 R2.1
Net-(D3-Pad2): length 1.9
  Top w0.305: D3.2 R3.1
Net-(D4-Pad2): length 1.9
  Top w0.305: D4.2 R4.1
Net-(D5-Pad2): length 1.9
  Top w0.305: D5.2 R5.1
Net-(D6-Pad2): length 1.9
  Top w0.305: D6.2 R6.1
Net-(D7-Pad2): length 1.9
  Top w0.305: D7.2 R7.1
Net-(D8-Pad2): length 1.9
  Top w0.305: D8.2 R8.1
Net-(D18-Pad2): length 1.9
  Top w0.305: D18.2 R25.1
Net-(D19-Pad2): length 1.9
  Top w0.305: D19.2 R27.1
Net-(D20-Pad2): length 1.9
  Top w0.305: D20.2 R28.1
Net-(D21-Pad2): length 1.9
  Top w0.305: D21.2 R29.1
Net-(D22-Pad2): length 1.9
  Top w0.305: D22.2 R30.1
Net-(D23-Pad2): length 1.9
  Top w0.305: D23.2 R31.1
Net-(D24-Pad2): length 1.9
  Top w0.305: D24.2 R32.1
Net-(D25-Pad2): length 1.9
  Top w0.305: D25.2 R33.1
Net-(D26-Pad2): length 1.9
  Top w0.305: D26.2 R34.1
Net-(D27-Pad2): length 1.9
  Top w0.305: D27.2 R35.1
Net-(D28-Pad2): length 1.9
  Top w0.152: D28.2 R36.1
Net-(D29-Pad2): length 1.9
  Top w0.305: D29.2 R37.1
Net-(D30-Pad1): length 19.5
  Top w0.152: R43.2 21.63,117.43 22.86,116.2 22.86,108.58 23.67,107.77 Q1.1 24.64,104.89 D30.1 26.03,103.5 R44.2
Net-(D31-Pad1): length 2.2
  Top w0.152: R42.2 D31.1
Net-(D32-Pad2): length 1.9
  Top w0.152: D32.2 R39.1
Net-(D33-Pad2): length 1.9
  Top w0.152: R40.1 D33.2
Net-(D35-Pad1): length 3.4
  Top w0.152: R38.1 22.86,100.96 21.77,102.05 20.57,102.05
Net-(D35-Pad2): length 3.9
  Top w0.152: D35.2 19.5,104.95 D36.1
Net-(D36-Pad2): length 5.4
  Top w0.152: D37.1 19.82,108.98 D36.2
Net-(D37-Pad2): length 3
  Top w0.152: D37.2 20.12,111.58 D38.1
Net-(D38-Pad2): length 2.5
  Top w0.152: R43.1 17.8,114.46 D38.2
Net-(Q1-Pad2): length 6.5
  Top w0.152: R42.1 29.36,116.51 Q1.2
Net-(R41-Pad2): length 2.4
  Top w0.305: R41.2 54.7,39.88 Y2.1

## Copper pours and planes (outline as drawn; the poured copper is in the pictures)
GND on Top: 103.51,-2.54 -3.17,-2.54 -3.17,129.54 103.51,129.54
GND on Bottom: -5.72,132.08 106.05,132.08 106.05,-5.08 -5.72,-5.08
GND on PWR_AN: -8.25,134.62 108.58,134.62 108.58,-7.62 -8.25,-7.62
GND on GND: -10.8,137.16 111.12,137.16 111.12,-10.16 -10.8,-10.16

## Text on the board
Bottom: 4
B.SilkS: STAR4 | STAR5 | STAR6 | DRVEN | GND | 3.3V | 5V | Y1-3 | CLK | EXT | VCCIO | EXT1 | DBG | EXT2 | OA_1 | VCCP | OA_2 | NC | IRQB | ECLK | FLAG0 | FLAG1 | FLAG2 | RSTB | STAR1 | STAR2 | STAR3 | SCLK | MOSI | MISO | CSB | VPWR | VBAT | HI    LOW | PUMP | INJ1 B1 | INJ3 B2 | INJ4 B2 | INJ2 B1
Dwgs.User: 4 layer board stackup is as follows: / 0 is top min 1 oz copper (1.4 mil) / min 6.7 mil prepreg FR4 / 1 is GND min 0.5 oz copper (0.7 mil) / min 47 mil core FR4 / 2 is PWR min 0.5 oz copper (0.7 mil) / min 6.7 mil prepreg FR4 / 3 is bottom min 1 oz copper (1.4 mil)
Top: 0
F.SilkS: GND | 3.3V | 5V | Y1-3 | CLK | EXT | VCCIO | VCCP | NC | ECLK | STAR4 | STAR5 | STAR6 | DRVEN | FLAG0 | FLAG1 | FLAG2 | EXT1 | DBG | EXT2 | OA_1 | OA_2 | IRQB | RSTB | STAR1 | STAR2 | STAR3 | SCLK | MOSI | MISO | CSB | VPWR | VBAT | VBAT-EXT | EXT-CLK | FLAG-0 | FLAG-1 | FLAG-2 | EXT-DBG | DRIVEN | RESETB | START1 | START2 | START3 | START4 | START5 | START6 | CBS | Vboost | MC33816 / for rusEFI.com / R0.3.3 | Vbat | PUMP | INJ1 B1 | INJ3 B2 | INJ2 B1 | INJ4 B2 | HI    LOW
PWR_AN: 1
GND: 3
